# Altium PCB VOU_SOM_CV_V0.0.1.PcbDoc (part 1 of 4)
Units mm, origin at the board's own origin, x right, y up, seen from the top; angles counter-clockwise.
Board outline 61 x 95 mm, 7 copper layers (Top Layer, PWR1, INT1, INT2, INT3, PWR2, Bottom Layer), stack 1.443 mm thick; 497 components, 649 nets, 3023 pads, 1241 vias.
Unrouted connection lines stored in the file: 1434.
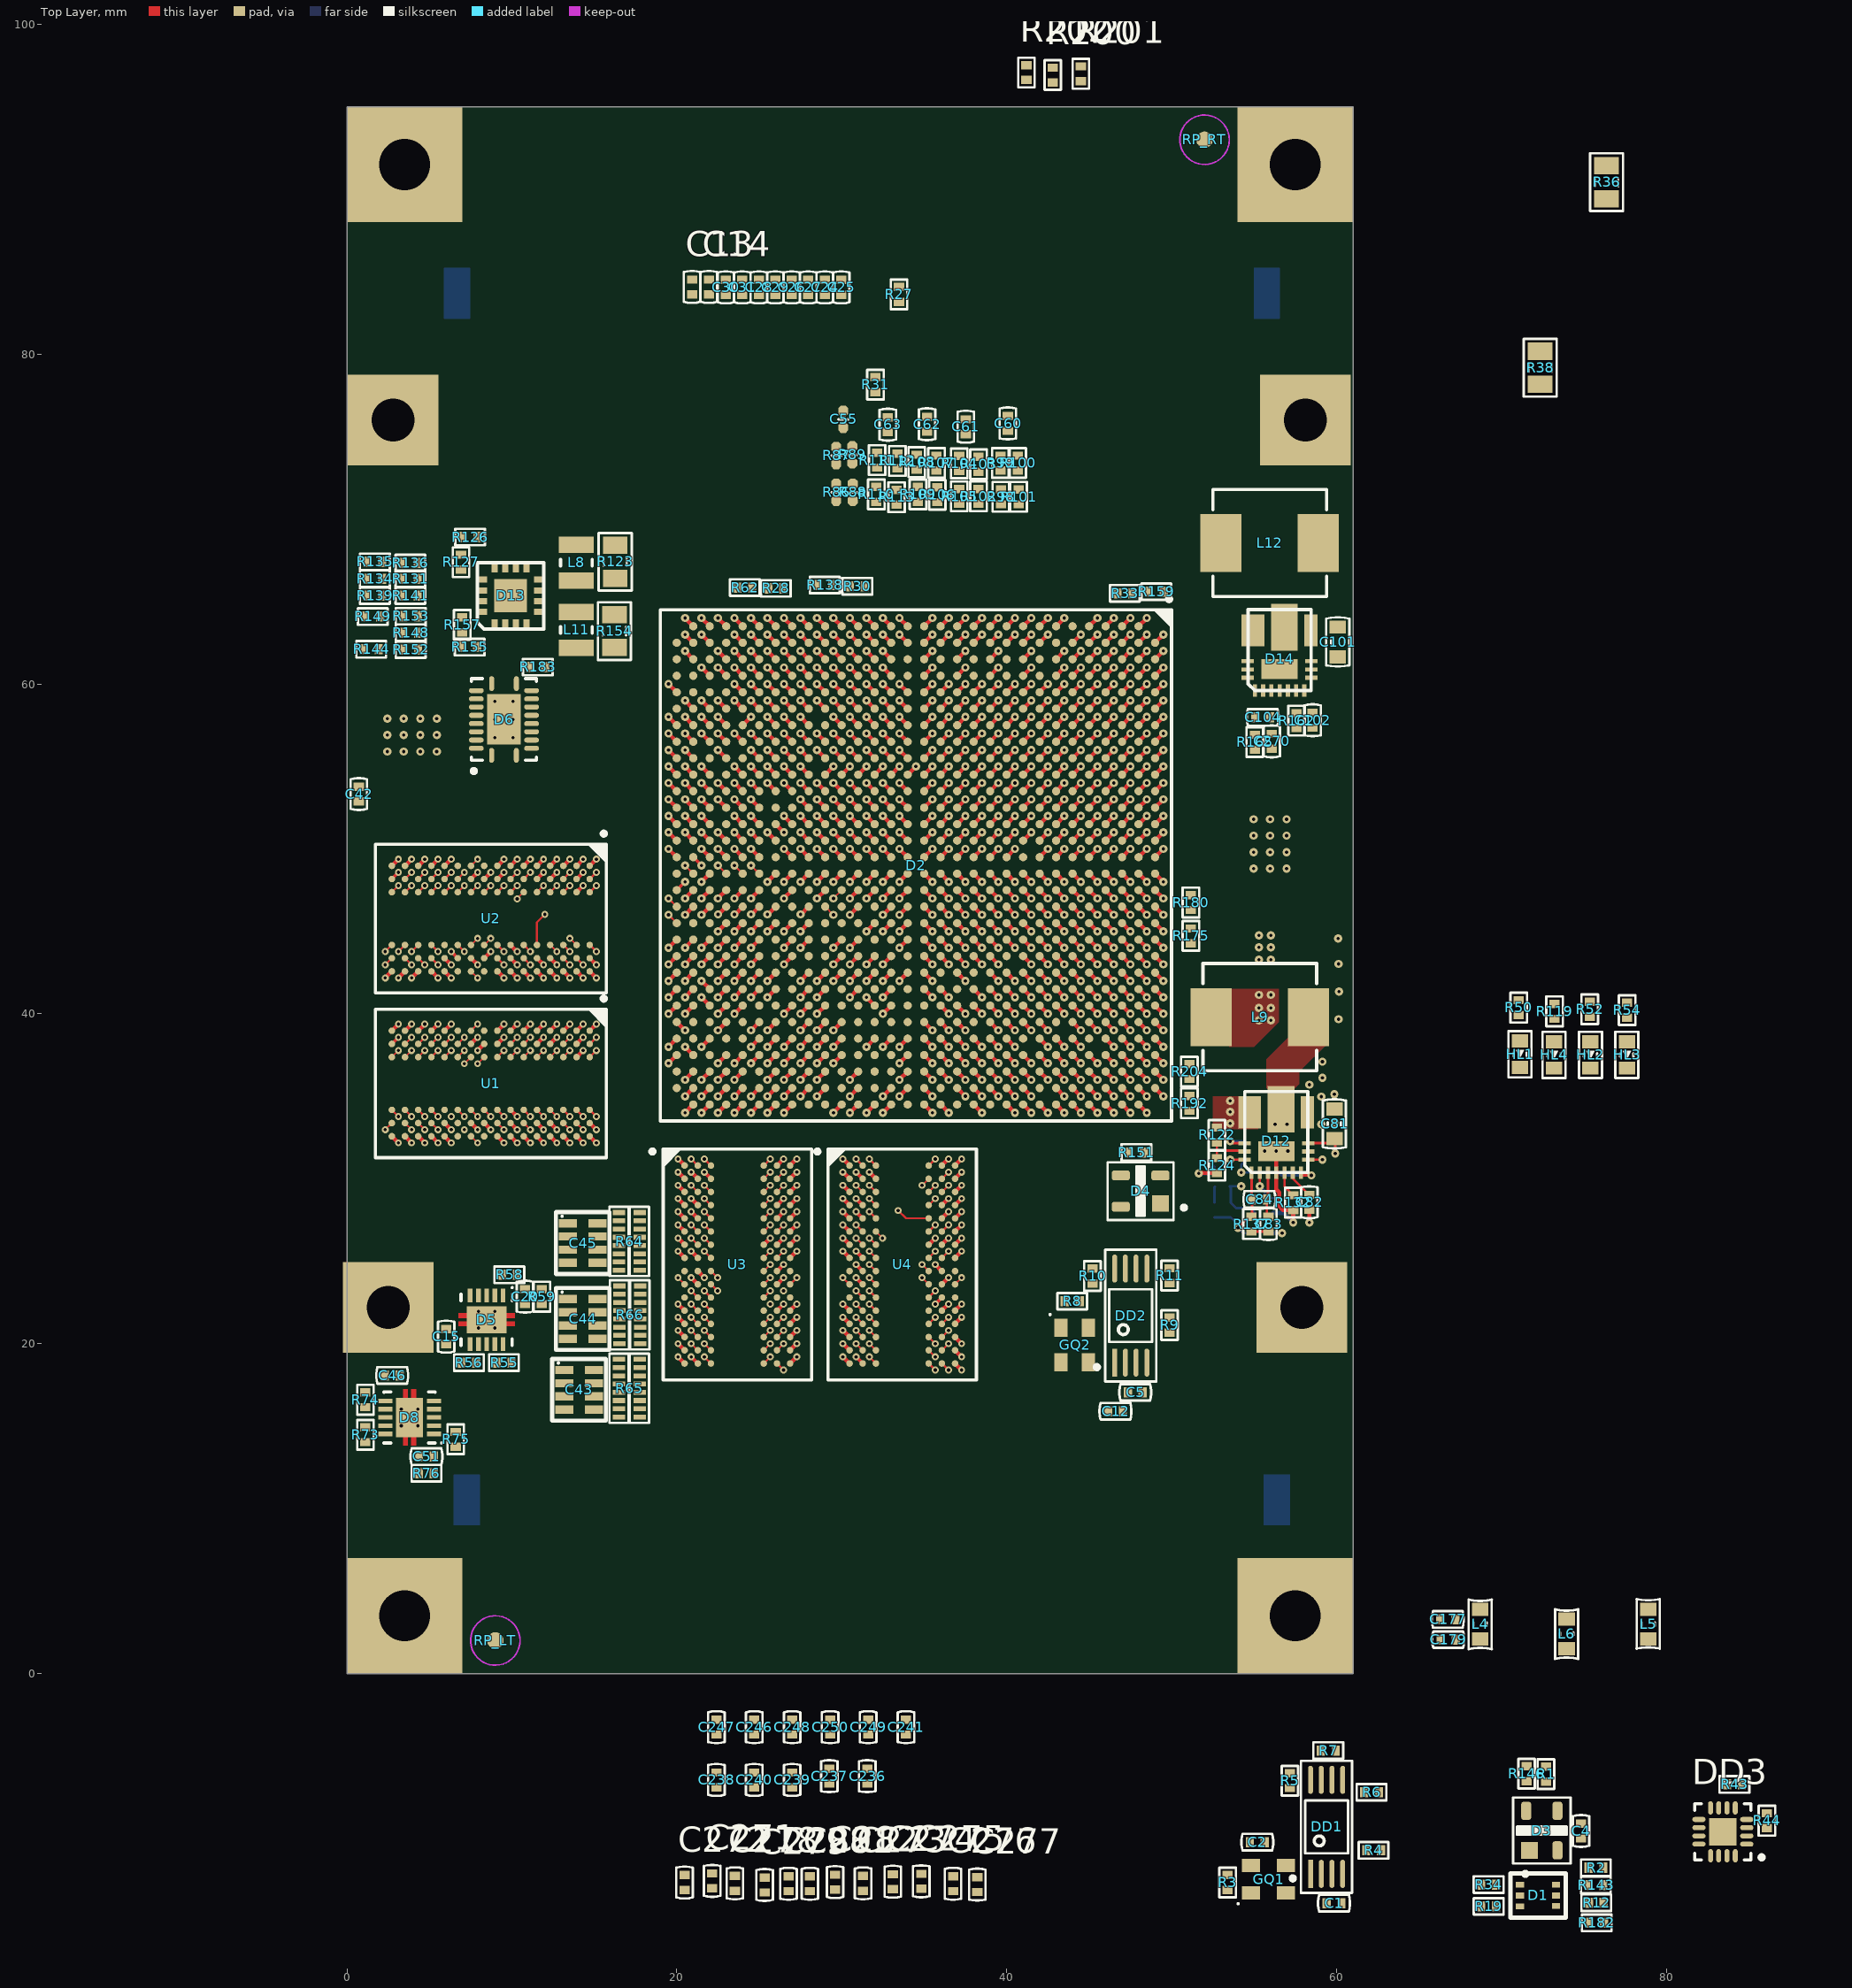
[diagram p0: Top Layer view]
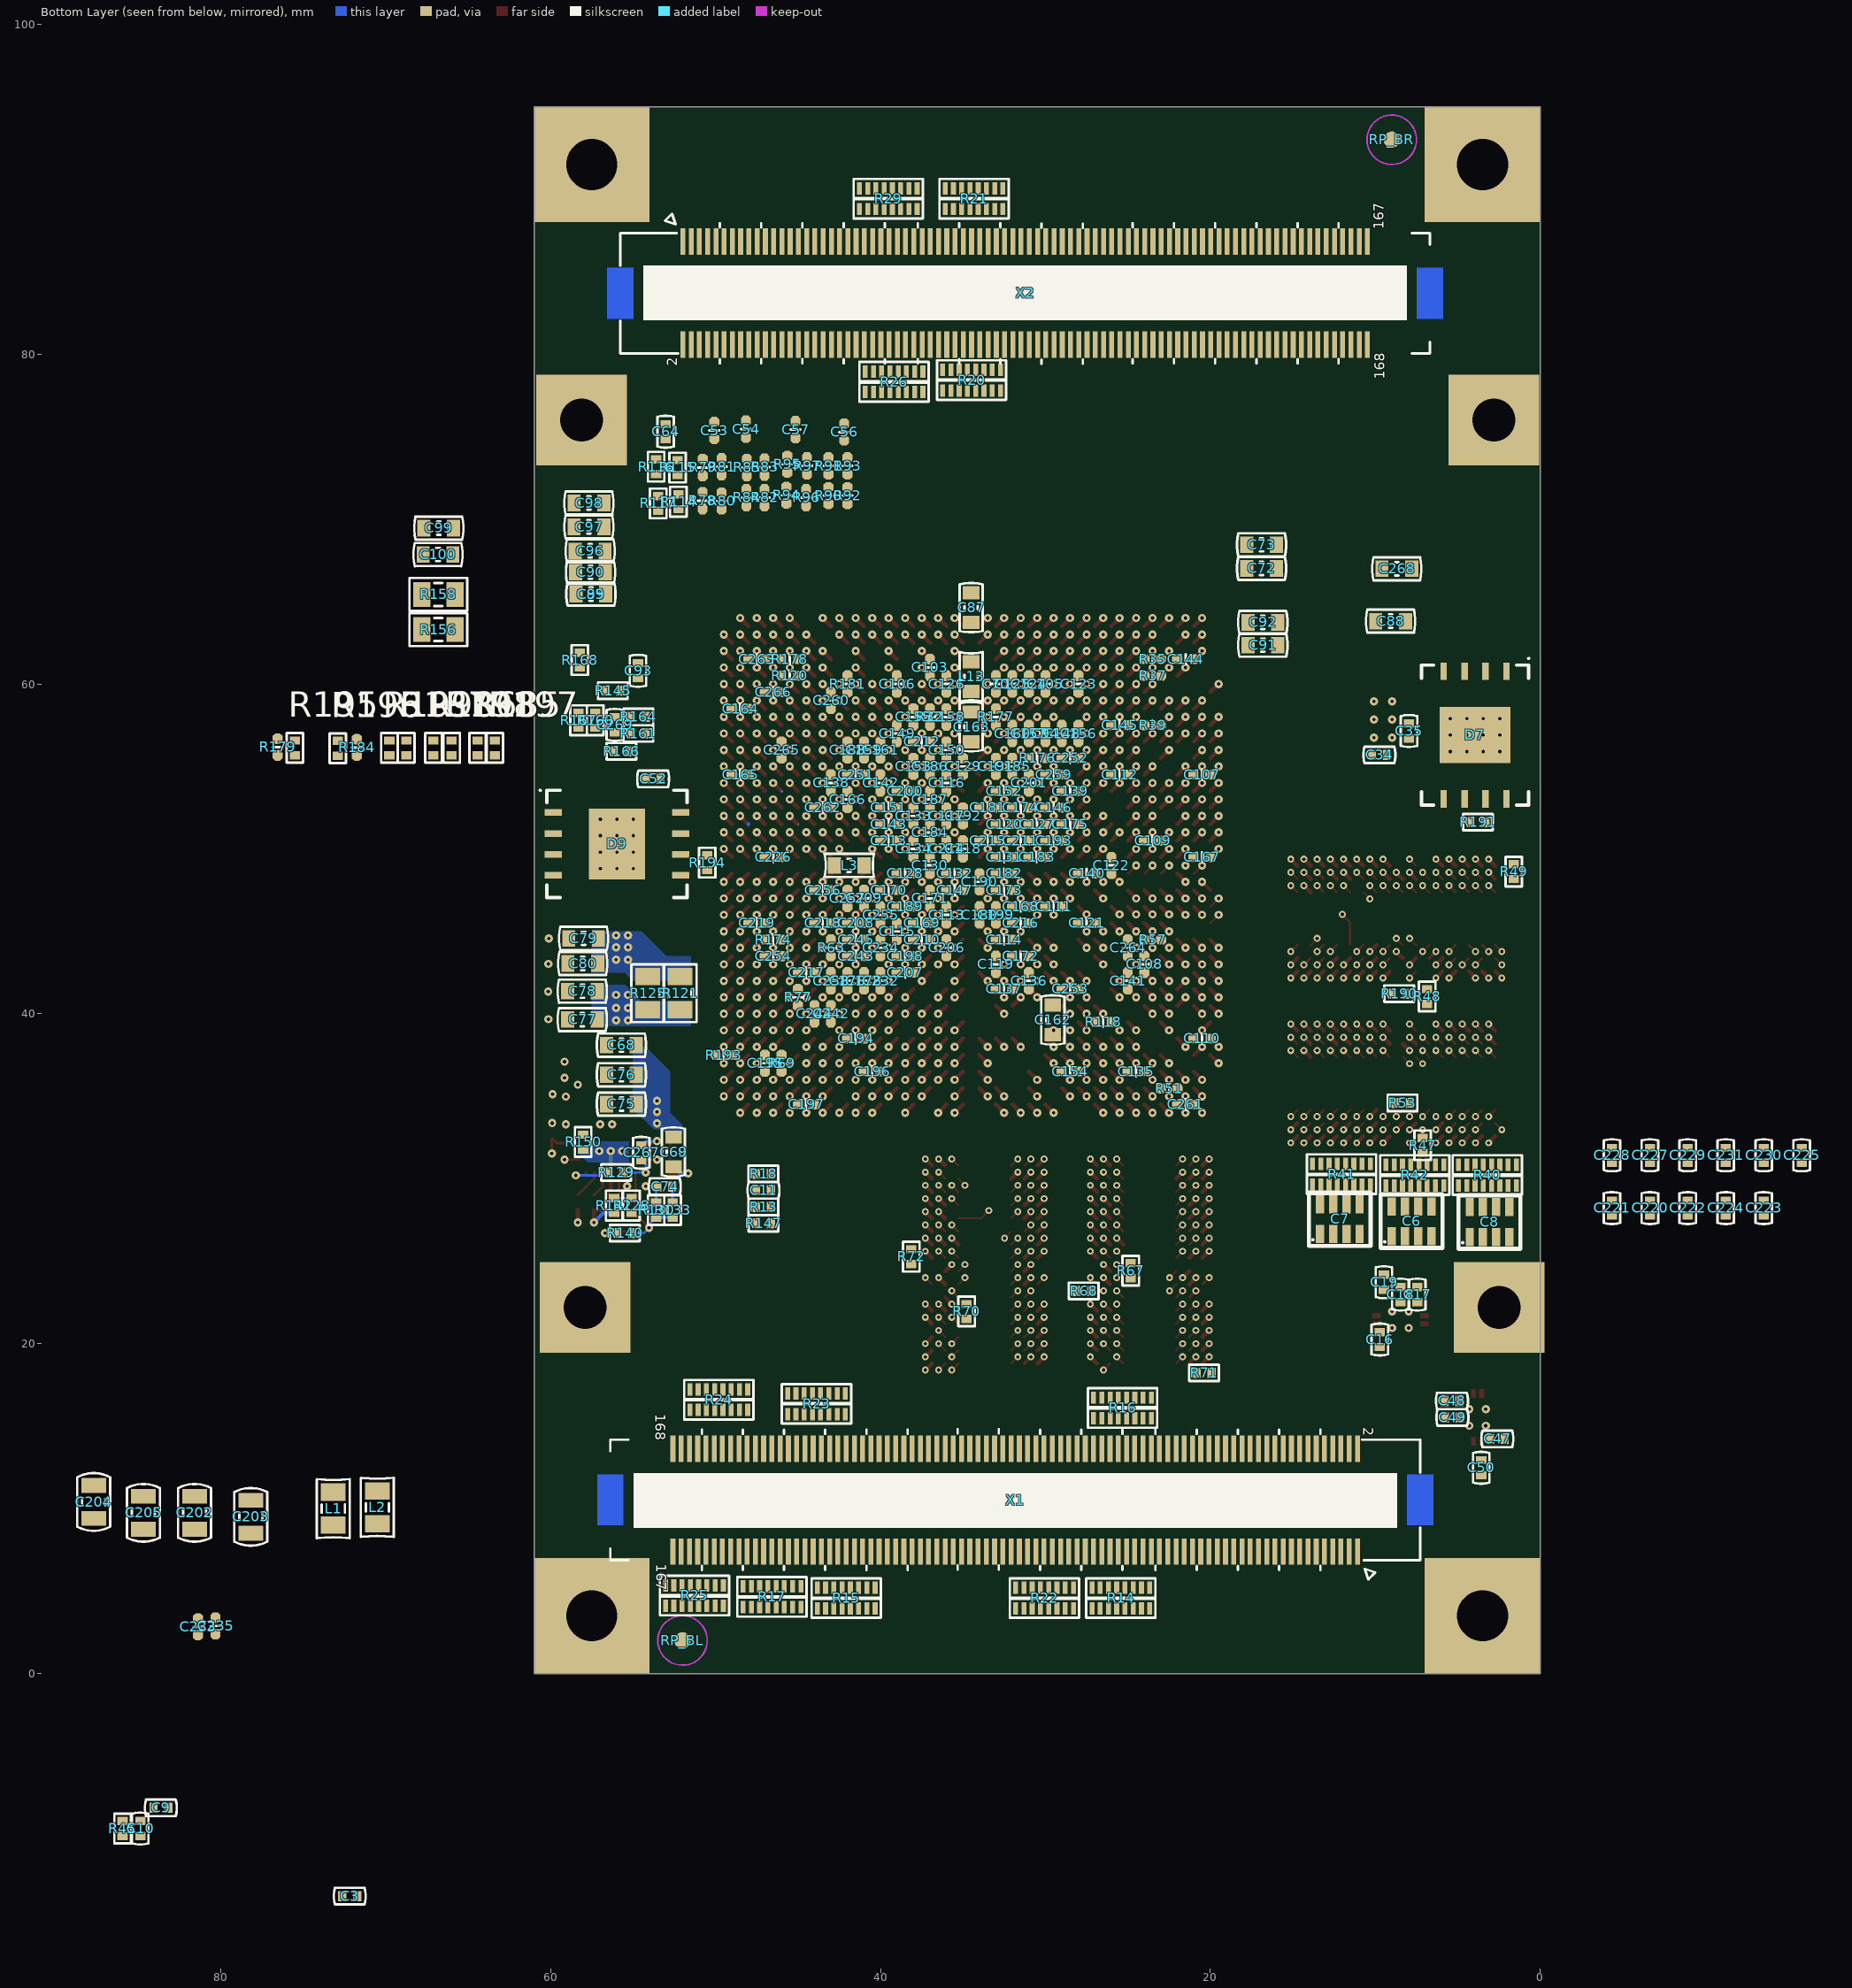
[diagram p1: Bottom Layer view, seen from below]
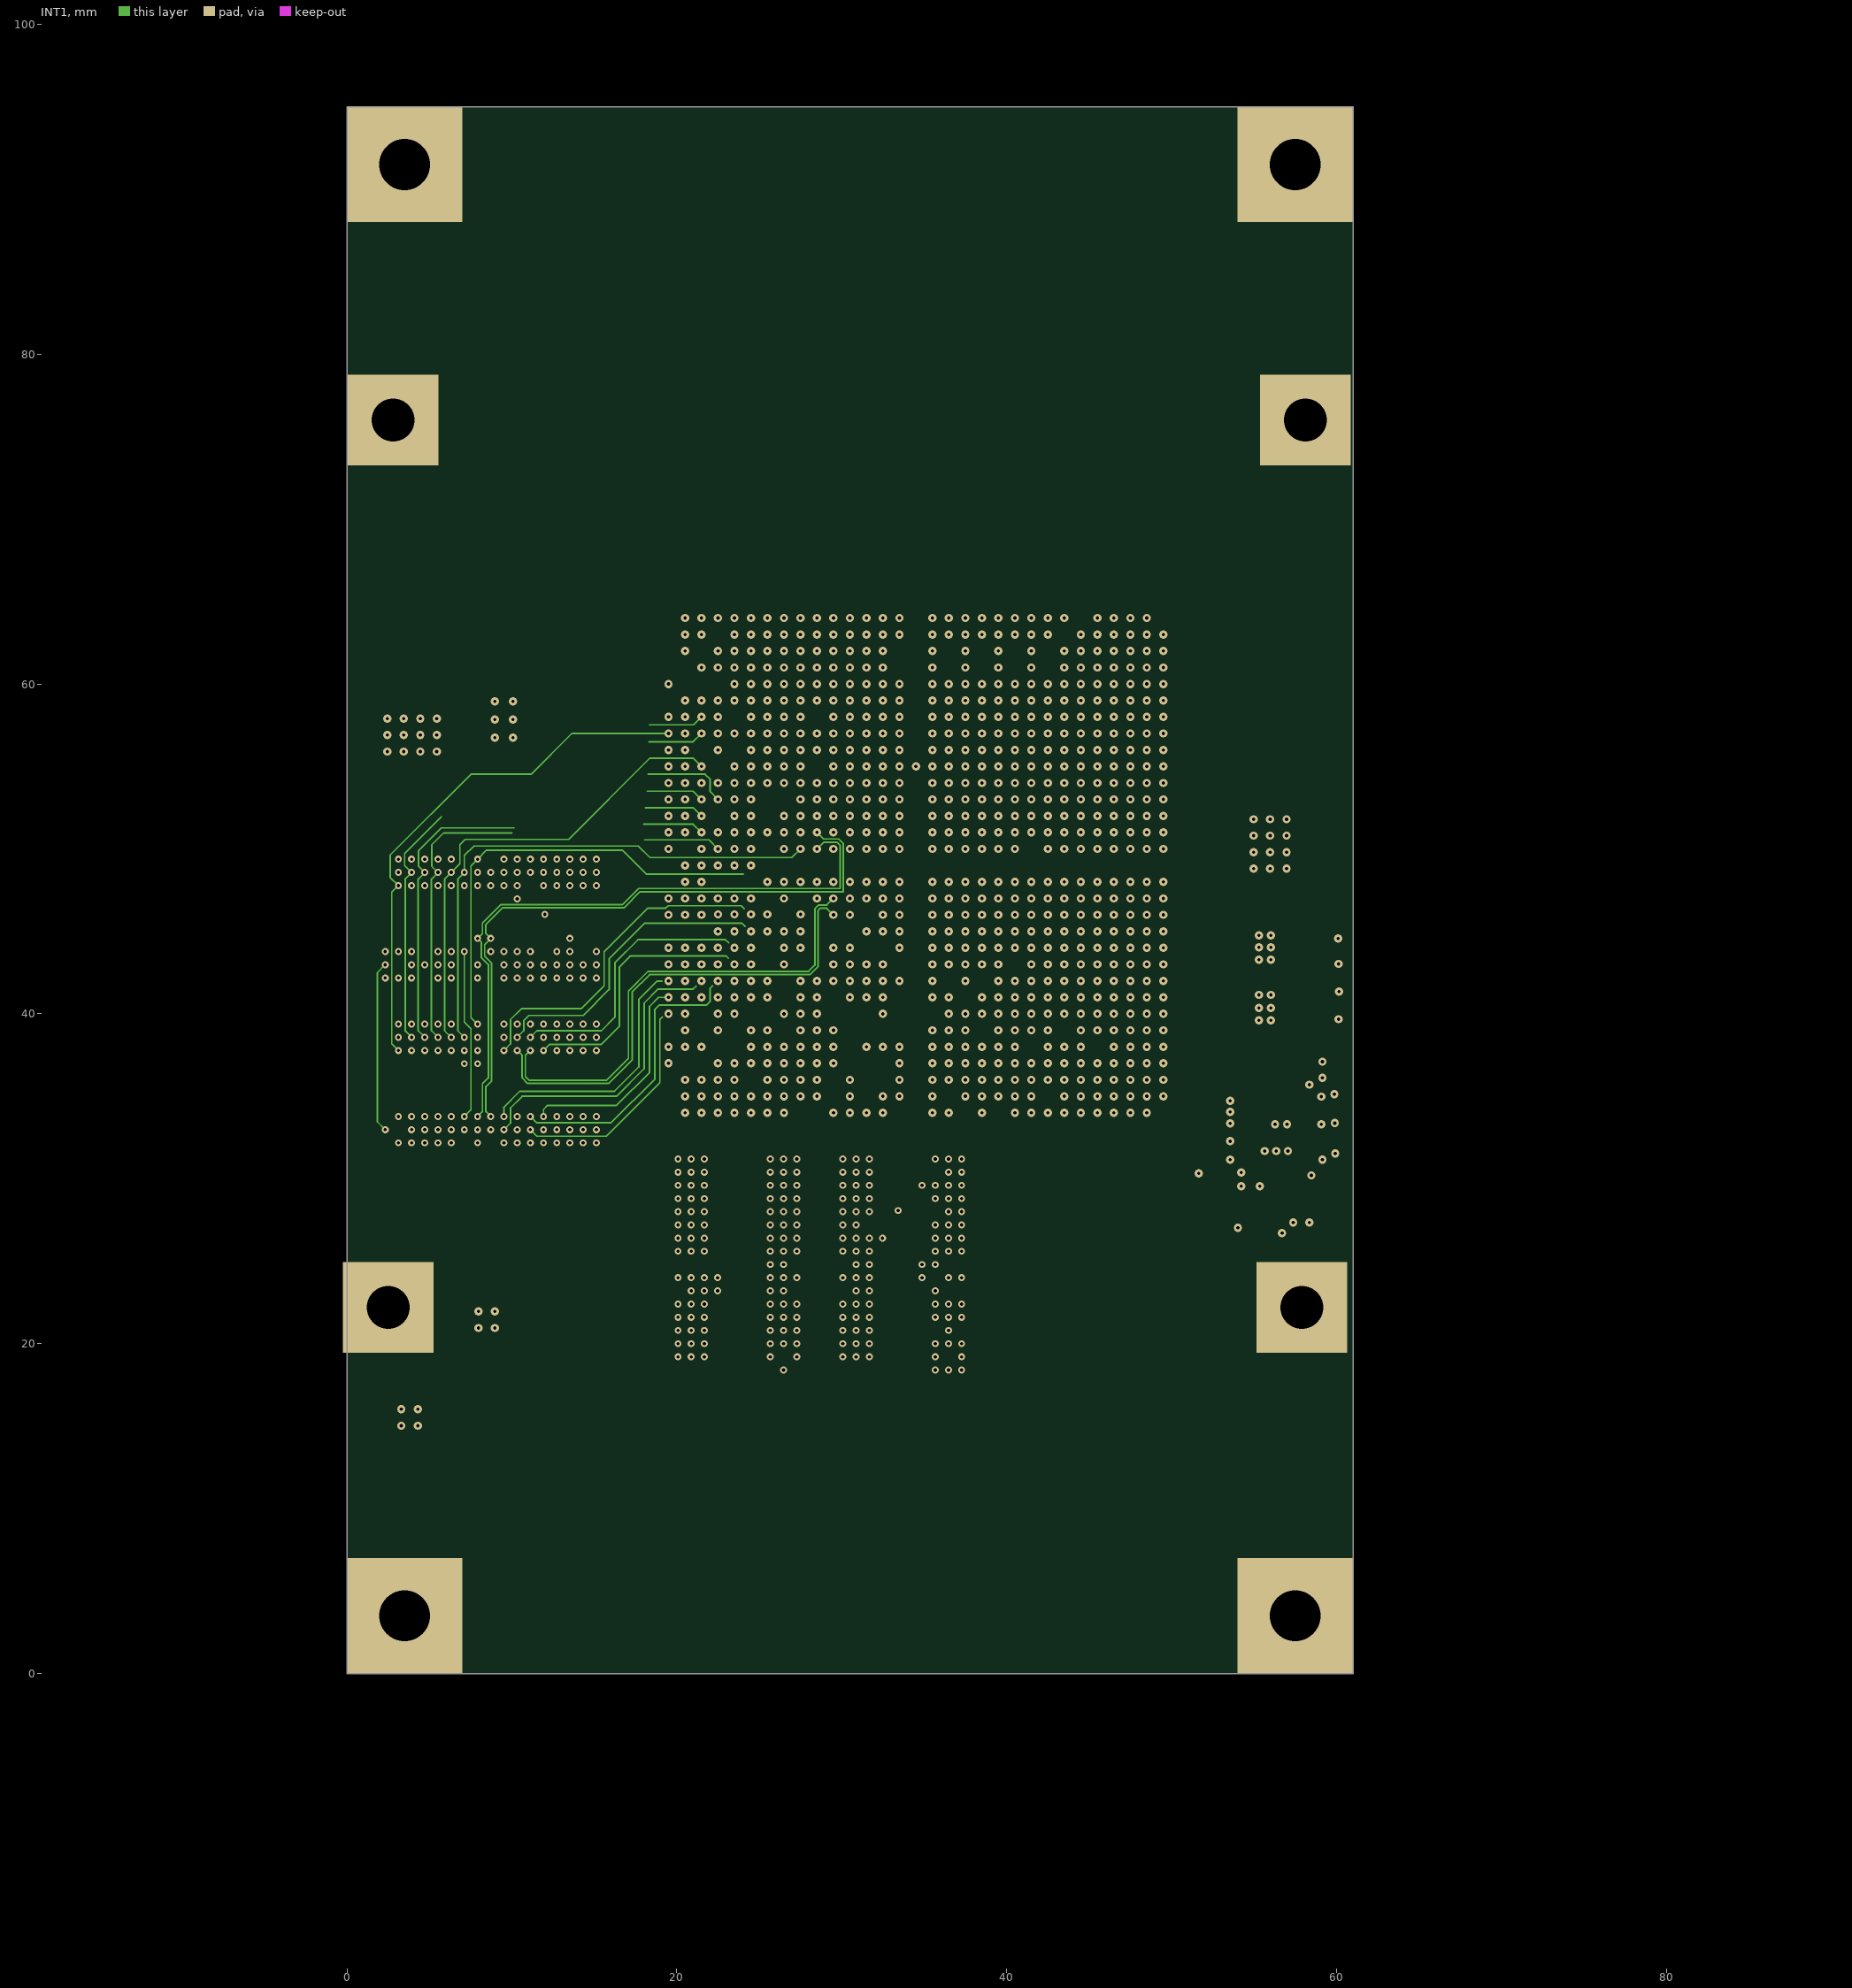
[diagram p2: INT1]
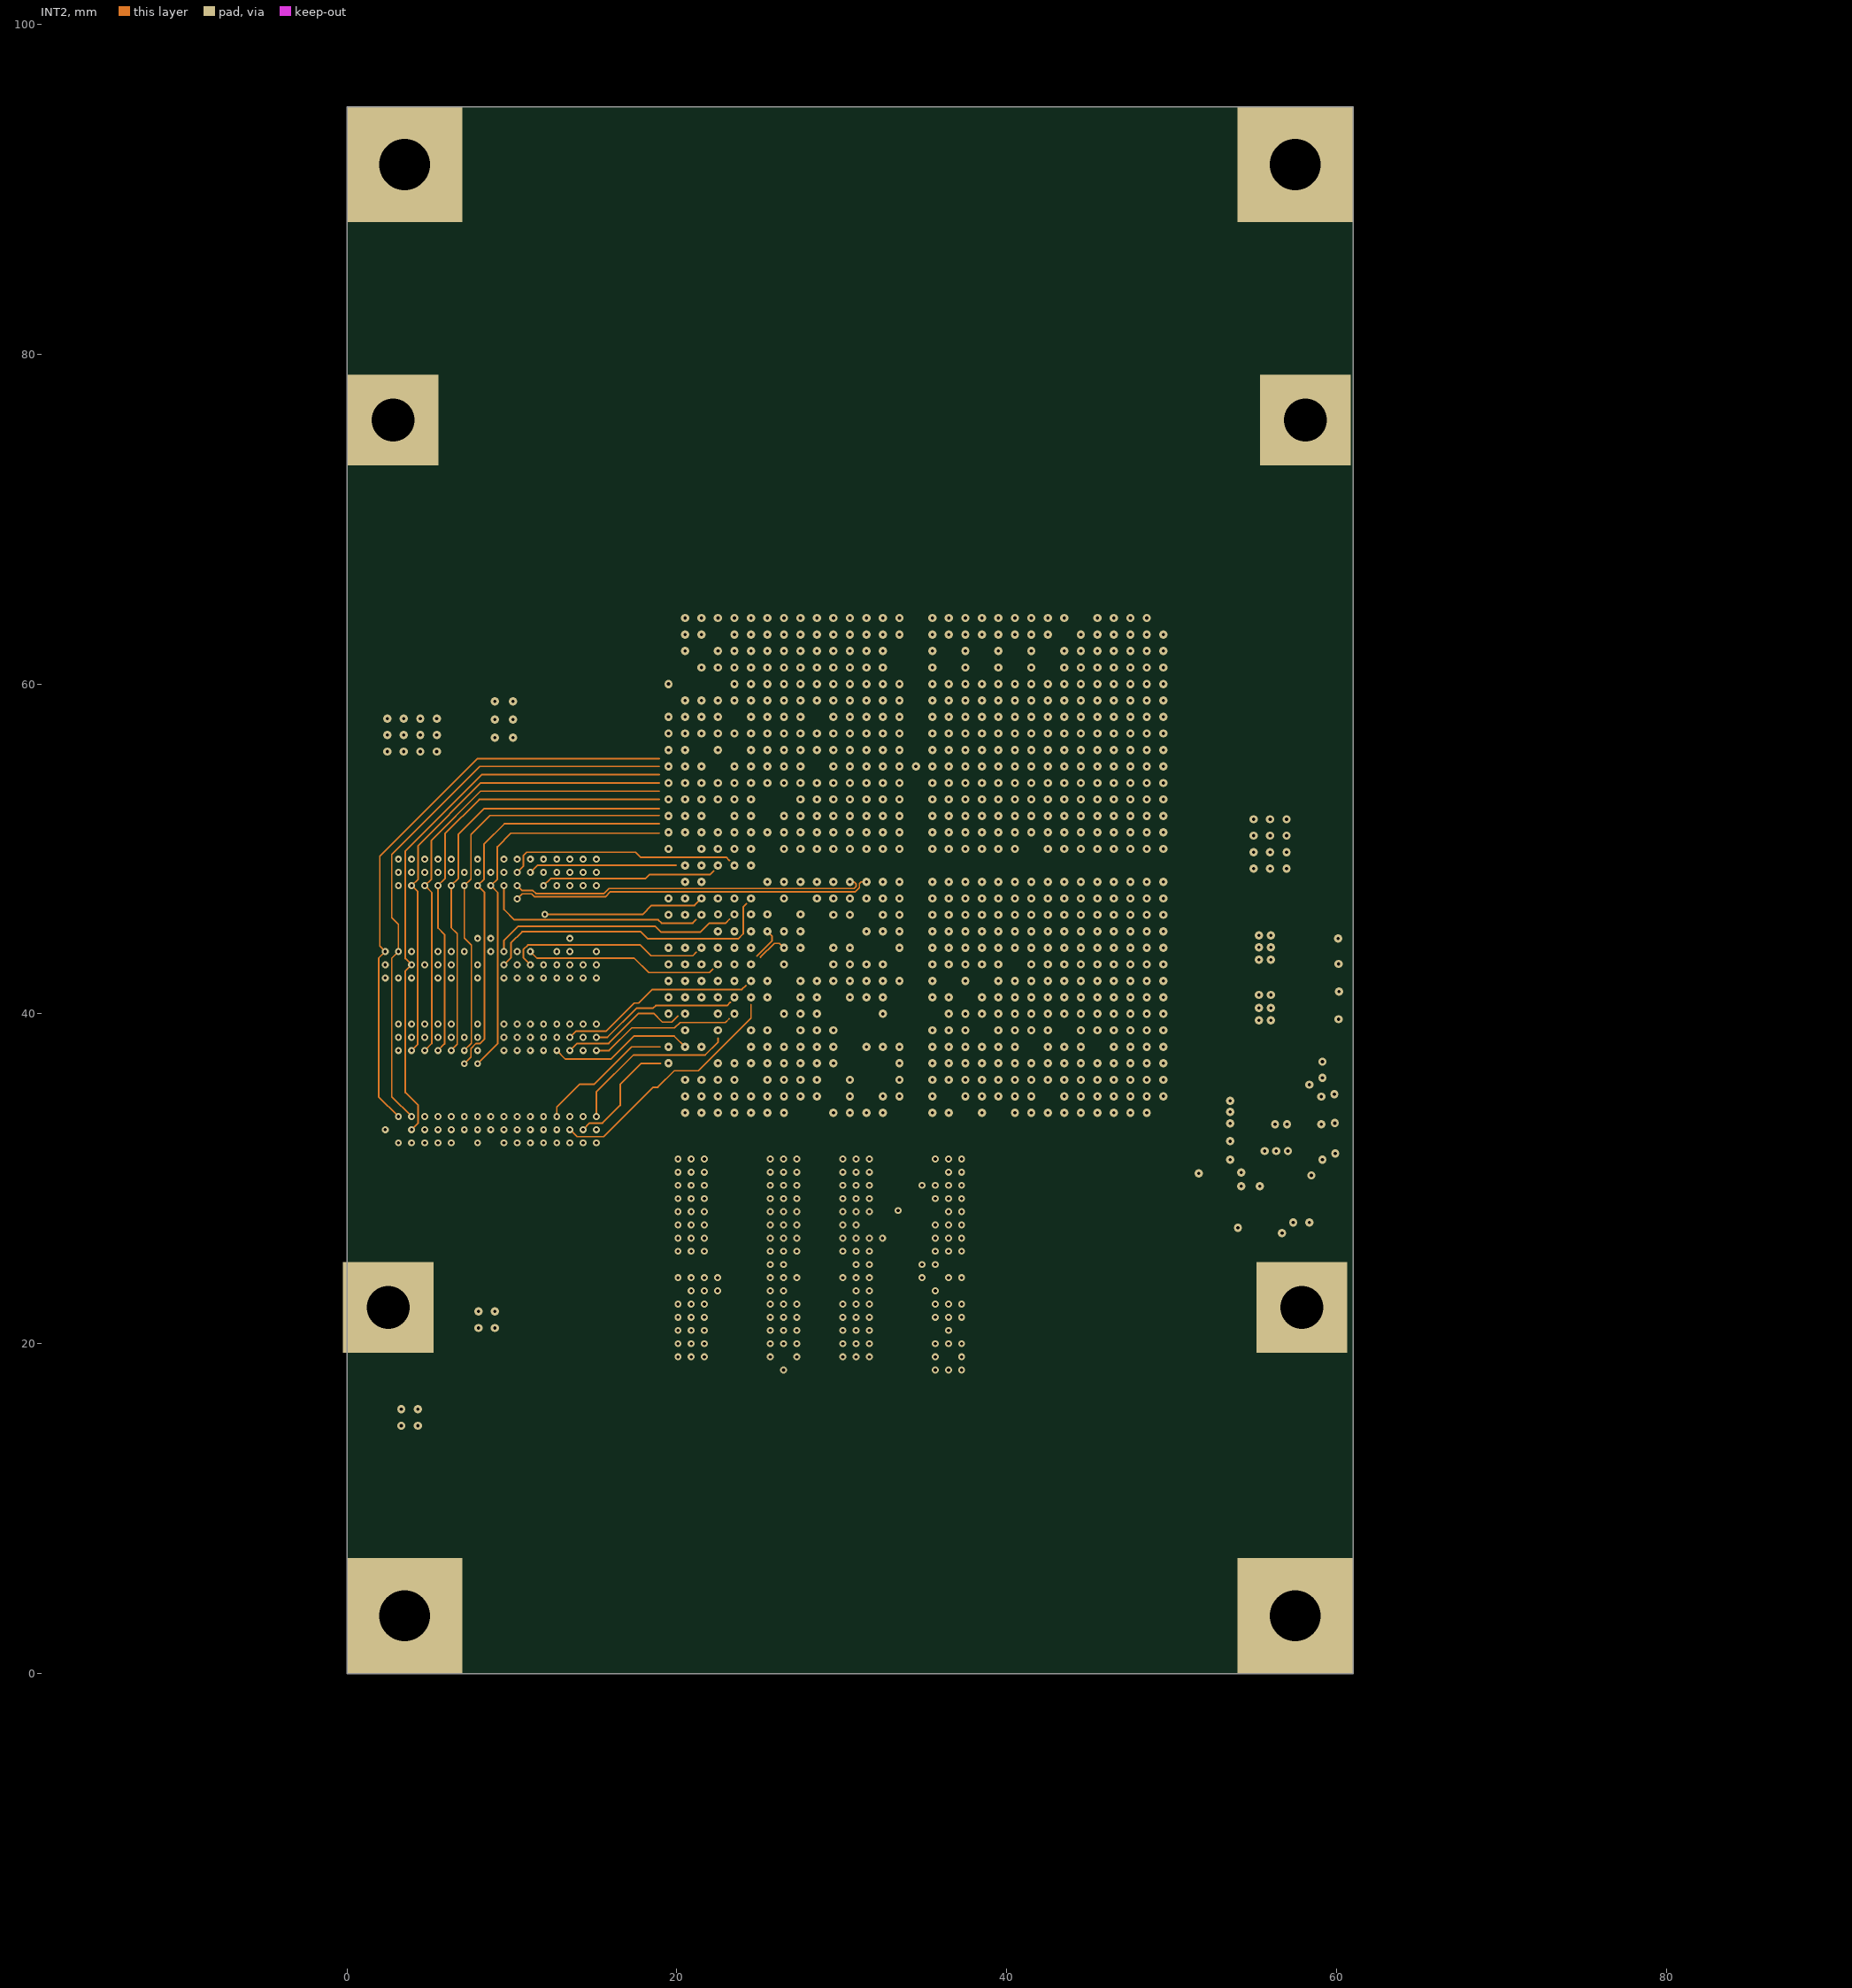
[diagram p3: INT2]